# KiCad board H.A.V.O.C. PCB V 1.0.kicad_pcb (continued)
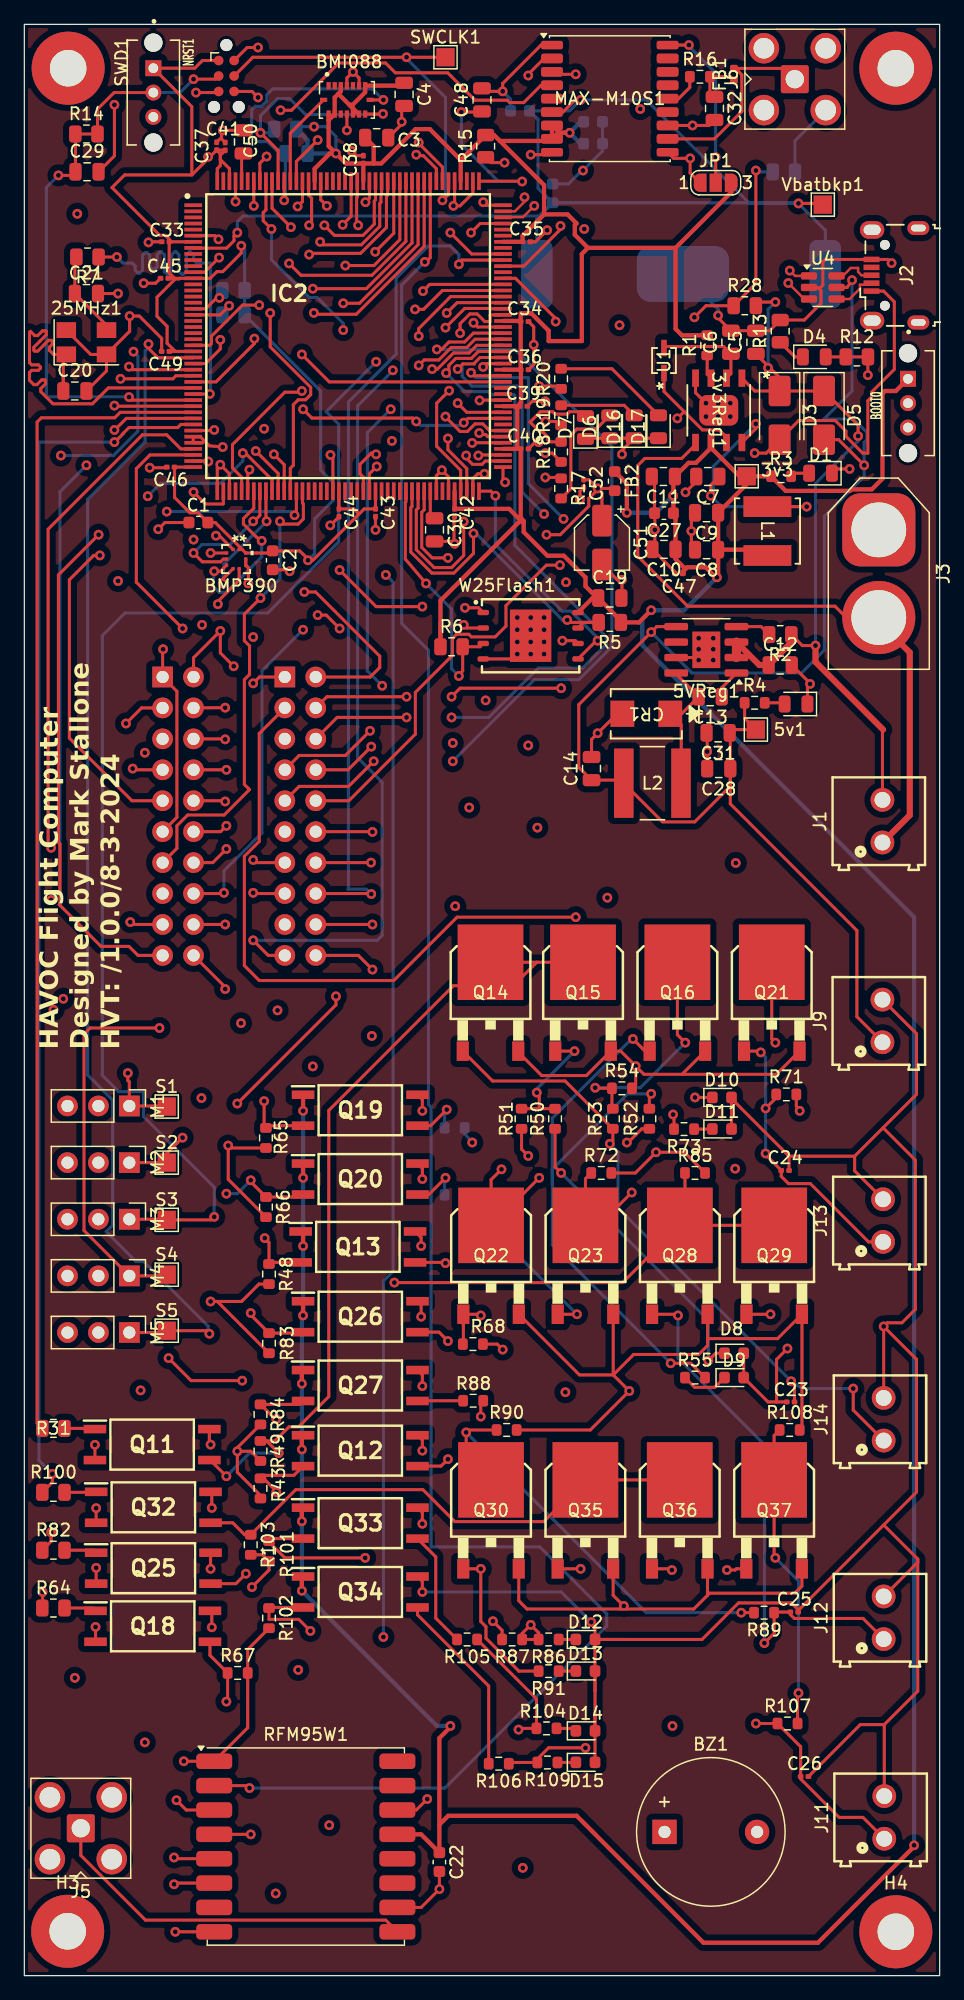
[diagram p0: board, top side]
## Routing (per net, layer and track width the routed paths; a pad name or vN(x,y) marks a point on that pad's centre or on a via; arc(x,y) is an arc through that point) (continued)
DROGUE_CONT: length 115.1
  Top w0.25: v1(19.75,60.55) 20.1,60.2 R48.1 20.23,58.56 Q13.2 ; 26.1,140.4 v1(26.38,140.4) 28.72,140.4 30.85,142.53 IC2.146
  In6.Cu w0.25: v1(19.75,60.55) 20.2,61 20.2,70.27 11.95,78.52 9.88,78.52 5.75,82.65 5.75,107.6 14.1,115.95 15.22,115.95 15.3,116.02 15.62,116.02 18.27,118.67 22,118.67 22.92,119.6 22.92,124.57 21.79,125.71 21.79,135.56 24.42,138.2 24.42,138.45 v1(26.38,140.4)
DROGUE_SIGNAL: length 96
  Top w0.25: R31.1 1.05,45.35 1.05,127.55 1.4,127.9 7.43,127.9 7.88,128.35 IC2.35
FLASH_!HOLD: length 28.4
  Top w0.25: 45.95,111.1 R5.2 45.95,111.1 ; 45.95,111.1 44.8,111.1 v1(44.6,111.3) ; 45.95,111.1 W25Flash1.7 ; v1(36.9,118.4) 36.9,116.76 35.29,115.15 33.48,115.15 31.75,116.88 31.75,120.52 31.85,120.62 IC2.77
  Bottom w0.25: v1(44.6,111.3) 44.2,111.3 37.1,118.4 v1(36.9,118.4)
FLASH_!WP: length 21.5
  Top w0.25: v1(35.7,106.7) 35.7,106.8 36.01,107.11 R6.2 37.43,109.1 W25Flash1.3 ; IC2.76 31.35,121 31.3,120.95 31.3,116.3 v1(33,114.3) 33.1,114.5
  Bottom w0.25: v1(33,114.3) 35.1,112.2 35.1,107.3 v1(35.7,106.7)
GP_GPIO6: length 82.2
  Top w0.25: J7.20 16.5,81.16 v1(16.5,81) ; IC2.49 17.85,123.02 17.1,123.77 17.1,125.7 21.4,130 22.7,130 v1(22.8,130.1)
  In6.Cu w0.25: v1(22.8,130.1) 23.62,129.27 23.62,128.3 23.45,128.12 23.45,118.25 18.77,113.57 13.17,113.57 7.3,107.7 7.3,84.41 10.71,81 v1(16.5,81)
GP_GPIO7: length 44.7
  Top w0.25: J7.10 16.44,96.46 v1(16.5,96.4) ; 18.09,125.21 18.09,125.14 v1(17.95,125) 18.16,125 20.35,122.81 IC2.54
  In2.Cu w0.25: v1(14.6,110.9) 15.38,110.12 15.38,97.52 v1(16.5,96.4)
  In5.Cu w0.25: v1(14.6,110.9) 14.3,110.9 10.2,115 10.2,121.4 v1(10.14,121.46)
  Bottom w0.25: v1(10.14,121.46) 11.2,122.52 16.12,122.52 17.95,124.35 v1(17.95,125)
GP_GPIO8: length 57.9
  Top w0.25: v1(6.2,116.6) 5.7,116.6 3.7,114.6 3.7,101.6 8.84,96.46 J7.9 ; IC2.55 20.85,123.33 v1(19.01,125.17) 19.13,125.17
  In2.Cu w0.25: v1(13.9,117.9) 7.5,117.9 v1(6.2,116.6)
  In3.Cu w0.25: v1(19.01,125.17) 23,121.18 23,116.92 17.12,116.92 16.56,117.49 15.44,117.49 15.04,117.9 v1(13.9,117.9)
GP_GPIO9: length 44.7
  Top w0.25: IC2.56 21.35,124.05 v1(20.5,124.9) ; J7.8 v1(16.6,99)
  In3.Cu w0.25: v1(20.5,124.9) 19.5,125.9 17.82,125.9 17.22,125.3 17.22,123.22 10.67,116.67 10.67,108.6 11.1,108.17 11.7,108.17 11.98,108.45 15.4,108.45 15.4,99.7 16.1,99 v1(16.6,99)
GP_GPIO10: length 76.9
  Top w0.25: v1(8.9,99.1) 9,99 J7.7 ; IC2.57 21.85,123.75 22.1,124 22.1,128.98 22.5,129.38 23.1,129.38 23.52,129.8 23.52,130.4 20.2,133.73 v1(20.2,136.5)
  In5.Cu w0.25: v1(20.2,136.5) 20.2,138.15 18,140.35 16.27,140.35 15.76,139.83 14.28,139.83 9.47,135.02 9.2,135.02 2.27,128.1 2.27,105.72 v1(8.9,99.1)
GP_GPIO18: length 47.7
  Top w0.25: J10.1 19.32,106.62 v1(18.8,106.1) ; v1(36.1,127.5) 36.45,127.85 IC2.97 ; v1(22.9,128.6) 23.62,127.88 31.92,127.88 v1(32.2,127.6)
  In2.Cu w0.25: v1(22.9,128.6) 22.9,125.83 18.07,121 18.07,117.57 22.27,113.38 v1(18.8,109.9)
  In6.Cu w0.25: v1(18.8,106.1) v1(18.8,109.9)
  Bottom w0.25: v1(32.2,127.6) 32.52,127.27 35.88,127.27 v1(36.1,127.5)
GP_GPIO19: length 82.3
  Top w0.25: v1(23,113.6) 23.93,113.6 29.2,108.33 29.2,107.4 28.42,106.62 J10.2 ; v1(35.6,129.1) 36.35,128.35 IC2.98
  In3.Cu w0.25: v1(23,113.6) 24.02,114.62 24.02,116.5 23.95,116.58 23.95,135.32 23.06,136.21 23.06,136.81 25.47,139.23 25.47,140.7 28.6,143.82 37,143.82 37.42,143.4 37.42,140.46 33.46,136.5 32.82,136.5 29.81,133.49 34.2,129.1 v1(35.6,129.1)
GP_GPIO20: length 107.2
  Top w0.25: v1(45.3,86.9) 35.55,86.9 30.35,81.7 19.3,81.7 18.07,82.92 18.07,91.9 19.3,93.13 19.3,101.98 J10.3 ; IC2.104 36.95,131.35 v1(36.7,131.6)
  In2.Cu w0.25: v1(44.3,119.6) 46.3,117.6 46.3,87.9 v1(45.3,86.9) 45.5,86.9 45.4,87
  Bottom w0.25: v1(36.7,131.6) 37.1,131.2 41.4,131.2 41.4,122.5 v1(44.3,119.6) 44.25,119.65
GP_GPIO21: length 59
  Top w0.25: v1(35.1,105) 35.8,105.7 v1(44.1,105.7) ; IC2.107 37.44,132.85 36.96,132.38 36.96,132.32 36.02,132.32 v1(35.6,131.9) ; J10.4 24.86,105 v1(31.4,105)
  In5.Cu w0.25: v1(44.1,105.7) 45.32,106.92 45.32,117.38 v1(42.7,120)
  In6.Cu w0.25: v1(35.1,105) v1(31.4,105)
  Bottom w0.25: v1(42.7,120) 40.9,121.8 40.9,130.5 36.77,130.5 35.97,131.3 35.97,132.27 36.02,132.32 v1(35.6,131.9)
GP_GPIO22: length 62.7
  Top w0.25: J10.6 25.7,103.3 v1(31.4,103.3) ; IC2.108 37.3,133.35 36.73,132.77 35.45,132.77 34.88,132.2 34.88,131.8 v1(34.65,131.57)
  In6.Cu w0.25: v1(35.1,103.3) v1(31.4,103.3)
  Bottom w0.25: v1(34.65,131.57) 36.18,130.05 38.15,130.05 38.4,129.8 40.2,129.8 40.3,129.7 40.3,117.43 47.82,109.9 47.82,109.3 45.88,107.35 42.21,107.35 38.16,103.3 v1(35.1,103.3)
GP_GPIO23: length 67
  Top w0.25: J10.7 22.57,100.17 26.38,100.17 v1(28.4,102.2) ; v1(33.5,131.9) 33.94,131.9 35.26,133.22 36.54,133.22 37.17,133.85 IC2.109
  In2.Cu w0.25: v1(37.9,104.7) 44.13,104.7 44.92,105.5 44.92,109.9 43.88,110.95 43.88,113.77 v1(44.5,114.4)
  In6.Cu w0.25: v1(37.9,104.7) 35.4,102.2 v1(28.4,102.2) ; 44.7,114.3 v1(44.5,114.4) 45.03,114.92 45.03,119.9 44,120.93 44,122.83 43.1,123.72 43.05,123.72 38.55,128.22 35.45,128.22 33.5,130.17 v1(33.5,131.9)
GP_GPIO24: length 54.2
  Top w0.25: J10.8 26.6,99 v1(28.5,100.9) ; v1(32.4,132.2) 32.85,132.65 34.05,132.65 35.08,133.68 36.36,133.68 37.03,134.35 IC2.110
  In2.Cu w0.25: v1(35.2,101.2) 34.17,102.22 34.17,114.79 33.5,115.46 33.5,117.16 35.31,118.97 35.31,121.56 35.57,121.82 35.57,126.6 34.9,127.27 34.3,127.27 32.7,128.87 32.7,130.3 32.4,130.6 v1(32.4,132.2)
  In6.Cu w0.25: v1(35.2,101.2) 28.8,101.2 v1(28.5,100.9)
GP_GPIO25: length 72.2
  Top w0.25: J10.9 22.57,97.63 26.63,97.63 v1(28.7,99.7) ; IC2.111 36.89,134.85 36.17,134.12 34.89,134.12 34.28,133.51 v1(33.89,133.51)
  In6.Cu w0.25: v1(35.2,99.7) v1(28.7,99.7)
  Bottom w0.25: v1(35.2,99.7) 41.9,106.4 43.77,106.4 43.8,106.42 44.4,106.42 44.43,106.4 45.56,106.4 48.28,109.11 48.28,125.55 40.33,133.5 33.9,133.5 v1(33.89,133.51)
GP_GPIO26: length 66.3
  Top w0.25: IC2.114 38.3,136.35 38.28,136.32 38.28,135.8 37.83,135.8 37.2,136.43 36.6,136.43 35.8,135.63 v1(35.8,134.85) 35.8,135.2 ; v1(44,115.8) 42.89,115.8 39.57,112.48 39.57,110.8 38.69,109.91 36.73,109.91 36.52,110.12 35.5,110.12 35.17,109.8 35.17,108.4 32.12,105.35 32.12,101.92 26.66,96.46 J10.10
  In6.Cu w0.25: v1(44,115.8) 43.78,115.57 43.78,114.1 44.2,113.67 44.8,113.67 45.47,114.35 45.47,120.09 44.7,120.86 44.7,124.6 42.1,127.2 42.1,128.55 v1(35.8,134.85)
GP_GPIO27: length 85.8
  Top w0.25: IC2.115 38.35,136.85 38.32,136.88 36.17,136.88 v1(34.6,135.3) ; v1(28.6,82.6) 27.44,83.76 J10.20
  In2.Cu w0.25: v1(34.6,135.3) 35.07,134.82 35.07,134.55 35.5,134.12 36.1,134.12 36.13,134.15 39.68,134.15 43.72,130.1 43.72,122.82 41.7,120.8 41.7,118.25 43.42,116.52 44.3,116.52 45.4,115.43 45.4,88.3 44.9,87.8 v1(35.4,87.8)
  In6.Cu w0.25: v1(35.4,87.8) 30.2,82.6 v1(28.6,82.6)
GP_GPIO28: length 75.1
  Top w0.25: 18.9,84.9 v1(18.8,85) 20.04,83.76 J10.19 ; IC2.116 35.55,137.35 v1(34.7,136.5)
  In6.Cu w0.25: v1(30.27,131.8) 30.63,131.8 33.12,134.3 33.12,136.38 33.1,136.4 34.6,136.4 v1(34.7,136.5)
  Bottom w0.25: v1(18.8,85) 29,85 29.4,85.4 29.4,97.97 27.38,99.99 27.38,128.88 30.27,131.77 v1(30.27,131.8) 30.3,131.8
GP_GPIO29: length 66.3
  Top w0.25: J10.18 v1(28.6,86.3) 28.7,86.3 ; IC2.117 35.02,137.85 32.4,135.23 v1(32.4,134.6)
  In6.Cu w0.25: v1(28.6,86.3) 26.62,88.27 26.62,131.25 29.97,134.6 v1(32.4,134.6)
GP_GPIO30: length 75.6
  Top w0.25: v1(32.1,136.8) 32.8,136.8 34.35,138.35 IC2.118
  In3.Cu w0.25: J10.17 22.6,85.1 31.1,85.1 31.5,84.7 33.3,86.5 33.3,105 27.67,110.62 27.67,132.38 v1(32.1,136.8)
GP_GPIO31: length 69.9
  Top w0.25: 35.7,140.6 35.95,140.85 IC2.123 ; 35.7,140.6 35.6,140.5 v1(35.7,140.5) 35.7,140.6 ; J10.16 28.46,88.84 v1(28.5,88.8)
  Bottom w0.25: v1(28.5,88.8) 28.1,89.2 26.6,89.2 26.62,89.22 26.62,129.2 30.55,133.12 30.55,139.38 33.17,142 35,142 35.7,141.3 v1(35.7,140.5)
GP_GPIO32: length 133.2
  Top w0.25: J10.15 18.86,88.84 v1(18.8,88.9) ; IC2.124 36.75,141.35 v1(35,143.1)
  In2.Cu w0.25: v1(46,143.4) 54.13,143.4 63.3,134.23 63.3,88.8 63,88.5 v1(47.9,88.5)
  In5.Cu w0.25: v1(35,143.1) 35.72,142.38 44.97,142.38 v1(46,143.4)
  In6.Cu w0.25: v1(18.8,88.9) 20.03,87.66 26.21,87.66 28.3,85.57 28.9,85.57 31.85,88.52 v1(47.9,88.5) 47.88,88.52
GP_GPIO33: length 66.6
  Top w0.25: IC2.129 37.45,143.85 v1(36.7,143.1) ; J10.14 v1(28.48,91.38)
  In3.Cu w0.25: v1(28.48,91.38) 26.72,91.38 26.3,91.8 27.22,92.72 27.22,132.95 31.8,137.52 33.85,137.52 36.7,140.37 v1(36.7,143.1)
GP_GPIO34: length 124.9
  Top w0.25: J10.13 19.02,91.38 v1(18.8,91.6) ; 23.4,143.8 23.3,143.7 v1(23.4,143.7) 23.4,143.8 ; 23.4,143.8 23.6,144 23.6,145.93 23.35,146.18 IC2.161
  In3.Cu w0.25: v1(23.4,143.7) 23.55,143.85 23.55,146.25 21.2,148.6 10.8,148.6 10.92,148.47 10.92,128.4 3.2,120.67 3.2,81.22 2.47,80.5 2.47,79.9 2.74,79.64 v1(2.4,79.3)
  In5.Cu w0.25: v1(18.8,91.6) 18.07,90.88 18.07,79.82 18.5,79.4 18.2,79.4 ; 18.1,79.3 v1(2.4,79.3)
GP_GPIO35: length 65.4
  Top w0.25: J10.12 28.58,93.92 v1(28.6,93.9) ; v1(20.3,143.4) 19.62,144.07 19.62,144.75 19.85,144.98 IC2.168
  In5.Cu w0.25: v1(30.1,128.6) 26.2,132.5 v1(26.2,135.1)
  In6.Cu w0.25: v1(28.6,93.9) 27.67,94.82 27.67,104.07 29.4,105.8 v1(29.4,105.9) 29.5,105.9
  Bottom w0.25: v1(30.1,128.6) 28.17,126.67 28.17,107.12 v1(29.4,105.9) ; v1(20.3,143.4) 20.3,140.87 23.4,137.77 24.07,137.77 26.2,135.65 v1(26.2,135.1)
GP_GPIO36: length 30.1
  Top w0.25: v1(39.45,148.85) 38.34,148.85 R15.1 ; v1(18.85,145.3) IC2.170 ; MAX-M10S1.9 43.15,149.5 v1(41.6,149.5)
  GND w0.25: v1(18.85,145.3) 19,145.3 ; 39.5,148.9 v1(39.45,148.85) 39.38,148.77
  In5.Cu w0.25: 19,145.3 22.47,148.77 39.38,148.77 ; 39.5,148.9 41,148.9 v1(41.6,149.5)
GPS_TIMEPULSE: length 32.7
  Top w0.25: 43.15,155.4 MAX-M10S1.4 42.45,155.2 41.03,153.78 39.88,153.78 39.67,153.97 37.03,153.97 34.78,156.22 30.48,156.22 29.68,157.03 25.82,157.03 21.95,153.15 v1(21.05,153.15) ; IC2.169 19.35,148.8 v1(19.9,149.35)
  In2.Cu w0.25: v1(21.05,153.15) 21.05,150.5 v1(19.9,149.35)
HSE_IN: length 34.1
  Top w0.25: 3.2,131.5 C20.1 3.2,131.5 ; 3.2,131.5 3.2,132.85 25MHz1.1 2.4,133.1 2.06,133.44 2.06,133.7 2.3,133.94 2.3,134.2 2.24,134.26 1.98,134.26 1.74,134.01 1.61,133.89 1.1,133.37 0.84,133.37 0.78,133.44 0.78,133.69 1.29,134.21 1.81,134.72 1.81,134.97 1.74,135.04 1.49,135.04 1.1,134.65 0.85,134.65 0.5,135 0.42,134.93 0.42,132.43 0.6,132.25 1.15,132.25 1.33,132.06 1.33,131.97 1.15,131.79 0.6,131.79 0.42,131.62 0.42,130.97 0.78,130.62 1.03,130.62 1.42,131.01 1.67,131.01 1.74,130.94 1.74,130.69 1.35,130.3 1.35,130.05 2.35,129.05 5.6,129.05 6.9,130.35 IC2.31
HSE_OUT: length 32.8
  Top w0.25: 7.5,141.1 v1(7.6,141.1) 7.5,141.1 ; 7.5,141.1 R7.1 ; v1(15.24,129.86) 15.2,129.82 14.92,129.82 14.9,129.85 IC2.32
  Bottom w0.25: v1(7.6,141.1) 8.1,140.6 8.86,140.6 9.1,140.36 9.1,140.02 9.34,139.78 9.46,139.78 9.7,140.02 9.7,141.23 9.94,141.47 10.06,141.47 10.3,141.23 10.3,140.32 10.54,140.08 10.66,140.08 10.91,140.32 10.91,141.28 11.14,141.52 11.27,141.52 11.5,141.28 11.5,139.92 11.74,139.68 11.86,139.68 12.1,139.92 12.1,141.28 12.34,141.52 12.46,141.52 12.7,141.28 12.7,139.92 12.94,139.68 13.06,139.68 13.3,139.92 13.3,141.28 13.54,141.52 13.66,141.52 13.91,141.28 13.91,140.84 14.14,140.6 15.3,140.6 15.3,129.93 v1(15.24,129.86)
I2C1_SCL: length 24.4
  Top w0.25: v1(29.5,154) BMI088.8 ; v1(21.35,145.75) IC2.165
  Bottom w0.25: v1(21.35,145.75) 21.44,145.84 R9.2 20.95,149.6 19.97,150.57 19.1,150.57 18.67,151 18.67,153.17 18.97,153.47 19.5,153.47 19.92,153.9 19.92,154.42 20.4,154.9 28.6,154.9 v1(29.5,154) 29.4,154
I2C1_SDA: length 19.9
  Top w0.25: IC2.166 20.85,149.85 v1(19.4,151.3) ; v1(29.47,152.85) 29.45,152.83 BMI088.9
  Bottom w0.25: 20.52,151.6 20.22,151.3 v1(19.4,151.3) 19.4,152.7 20.8,154.1 21.8,154.1 23.1,152.8 29.41,152.8 v1(29.47,152.85)
I2C2_CS: length 39
  Top w0.25: v1(19.4,113.1) 18.07,111.77 18.07,109.6 18.5,109.17 18.5,106.82 18.07,106.4 18.07,97.8 18.5,97.37 16.41,95.28 13.41,95.28 12.53,94.41 12.53,92.55 J7.13 ; IC2.59 22.85,120.9 22.92,120.82 22.92,119.6 22.5,119.17 21.22,119.17 v1(21,119.4)
  Bottom w0.25: v1(21,119.4) 21,114.7 v1(19.4,113.1)
I2C2_SCL: length 50.2
  Top w0.25: v1(16.82,137.09) 16.08,136.35 IC2.19 ; J7.3 9.63,104.08 v1(8.35,102.8)
  GND w0.25: 16.82,137.09 v1(16.82,137.09)
  In5.Cu w0.25: 16.82,137.09 16.82,134 3.3,120.47 3.3,107.1 7.6,102.8 v1(8.35,102.8)
  Bottom w0.25: v1(16.82,137.09) 16.79,137.09 16.27,136.57 R10.2
I2C2_SDA: length 52.9
  Top w0.25: v1(16.02,137.75) 15.8,137.75 14.9,136.85 IC2.18 ; J7.4 v1(16.5,104.1) 16.48,104.08
  In5.Cu w0.25: v1(16.5,104.1) 15.32,105.27 15.32,109.45 14.9,109.88 11.3,109.88 5.15,116.02 5.15,120.85 17.6,133.3 17.6,137.34 17.12,137.82 16.09,137.82 v1(16.02,137.75)
  Bottom w0.25: v1(16.02,137.75) 16.02,138.1 R11.2
INT_ACC: length 7.8
  Top w0.25: IC2.164 21.85,151.26 BMI088.16
INT_GYR: length 8.2
  Top w0.25: v1(24.1,150.7) 22.35,148.95 IC2.163 ; v1(26.5,151.5) BMI088.12
  In5.Cu w0.25: v1(26.5,151.5) 25.7,150.7 v1(24.1,150.7)
LED1: length 6.1
  Top w0.25: v1(42.8,123) 44.03,123 R17.1 ; IC2.89 39.32,122.77 v1(39.5,122.6)
  In3.Cu w0.25: v1(42.8,123) 42.4,122.6 v1(39.5,122.6)
LED2: length 12.4
  Top w0.25: v1(36.3,124.8) 36.3,124.6 36.82,124.07 37.6,124.07 37.88,124.35 IC2.90 ; v1(42.8,125) 43.38,125 R18.1
  In3.Cu w0.25: v1(42.8,125) 41.88,124.07 37,124.07 36.3,124.77 v1(36.3,124.8)
LED3: length 10.4
  Top w0.25: v1(42.82,127.6) 43.78,127.6 R19.1 ; 37.5,124.9 v1(37.3,124.8) 37.55,124.85 IC2.91
  In2.Cu w0.25: v1(37.3,124.8) 39.4,124.8 42.2,127.6 v1(42.82,127.6) ; 43,127.3 43,127.4
LED4: length 11.1
  Top w0.25: R20.1 43.88,130.5 v1(42.3,130.5) ; IC2.94 38.07,126.35 37.9,126.52 37.49,126.52 v1(37.37,126.65)
  In2.Cu w0.25: v1(37.37,126.65) 39.35,126.65 41.6,128.9 41.6,129.8 v1(42.3,130.5) 42.3,130.4
MAIN_CONT: length 115
  Top w0.25: Q20.2 22.69,63.92 R66.1 18.6,65.17 v1(18.6,65.3) ; IC2.148 29.85,146.19 29.75,146.09 29.75,143.53 27.62,141.4 23.5,141.4 v1(23.4,141.3)
  In2.Cu w0.25: v1(16.6,64.2) 16.6,66.23 10.25,72.58 10.25,80.81 7.1,83.96 7.1,111.3 7.67,111.88 16.2,111.88 17.22,112.9 17.22,134.93 17.5,135.2 17.5,135.6 17.87,135.97 17.87,138.9 17.38,139.4 17.38,140.8 17.87,141.3 v1(23.4,141.3)
  Bottom w0.25: v1(16.6,64.2) 17.5,64.2 v1(18.6,65.3)
MAIN_SIGNAL: length 111.3
  Top w0.25: R64.1 1.5,30.2 v1(1.5,31.5) ; 7.5,128.8 v1(7.4,128.9) 7.5,128.9 7.55,128.85 IC2.34
  In2.Cu w0.25: v1(1.5,31.5) 1.42,31.57 1.42,128.82 1.5,128.9 v1(7.4,128.9)
NRST: length 50.5
  Top w0.25: 8.7,129.5 8.85,129.35 IC2.33 ; 8.7,129.5 v1(8.6,129.6) 8.7,129.5 ; SWD1.3 15.7,155.7 v1(13.9,155.7) ; NRST1.2 7.37,154.6 6.01,153.24 R14.2 R14.1 4.2,151.19 C29.1 3.9,147.8 v1(2.8,147.8)
  Bottom w0.25: NRST1.2 12.8,154.6 v1(13.9,155.7) ; v1(8.6,129.6) 8.57,129.62 1.82,129.62 1.8,129.6 1.8,146.8 v1(2.8,147.8)
PYRO5V: length 288.3
  Top w0.25: Q12.4 32.7,43.97 v1(32.7,43.1) ; Q33.4 32.7,38.02 v1(32.7,37.1) ; Q13.4 32.6,60.6 v1(32.6,59.9) ; 70.6,37 73.4,34.2 ; 70.6,37 63.57,29.97 C25.2 63.57,30.04 63.02,30.6 58.67,30.6 55.67,27.6 49.29,27.6 ; 70.6,37 73.3,39.7 73.3,50.6 v1(70.6,53.3) ; 73.4,34.2 73.4,33.93 J12.2 ; 73.4,34.2 73.4,23.36 70.65,20.61 ; 62.82,67.27 C24.2 ; 62.82,67.27 68.22,67.27 ; 62.82,67.27 58.1,72 D10.2 D11.2 ; 70.55,69.61 73.2,66.96 73.2,54.7 72.1,53.6 70.9,53.6 v1(70.6,53.3) ; 70.55,69.61 68.22,67.27 ; 70.55,69.61 73.3,72.36 73.3,77.33 J9.2 ; D12.2 46.89,23.4 ; D12.2 49.29,27.6 ; D12.2 49.29,27.6 ; D12.2 46.89,28.72 v1(46.58,29.03) ; 46.89,23.4 D13.2 ; 46.89,23.4 46.89,21.3 ; v1(15.3,33.4) Q25.4 ; C23.2 61.8,47.1 ; 61.8,47.1 61.8,50.59 v1(62.69,51.49) ; 61.8,47.1 61.1,47.1 D9.2 D8.2 ; C26.2 68.68,20.61 70.65,20.61 ; 70.65,20.61 J11.2 ; 46.89,21.3 46.89,17.86 ; 46.89,21.3 D14.2 ; 46.89,17.86 D15.2 46.89,17.86 46.89,17.86 ; Q27.4 32.7,49.32 v1(32.7,48.4) ; v1(15.4,38.4) 15.4,39.62 Q32.4 ; Q19.4 32.7,71.92 v1(32.7,71) ; Q34.4 32.7,32.37 v1(32.7,31.5) ; v1(15.4,28.6) 15.4,29.8 Q18.4 ; 68.22,67.27 68.22,66.07 J13.2 ; Q11.4 15.2,43.7 v1(15.3,43.6) ; Q20.4 32.7,66.27 v1(32.7,65.4) ; v1(70.6,53.3) J14.2 ; v1(32.6,54.1) 32.6,55.07 Q26.4
  In2.Cu w0.25: v1(70.6,53.3) 68.79,51.49 v1(62.69,51.49) ; v1(15.4,28.6) 16.42,27.57 26.38,27.57 30.3,31.5 v1(32.7,31.5)
  In3.Cu w0.25: v1(32.7,71) v1(32.7,65.4) 32.6,65.3 v1(32.6,59.9) v1(32.6,54.1) 32.7,54 v1(32.7,48.4) v1(32.7,43.1) v1(32.7,37.1) v1(32.7,31.5) ; v1(15.4,28.6) 15.3,28.7 v1(15.3,33.4) 15.4,33.5 v1(15.4,38.4) 15.3,38.5 v1(15.3,43.6)
  Bottom w0.25: v1(32.7,31.5) 44.1,31.5 v1(46.58,29.03)
PYRO_AUX1_FIRED: length 108.7
  Top w0.25: v1(18.6,54.4) 18.6,54.25 R83.1 22.82,52.75 Q26.2 ; v1(24.1,111.7) 24.8,111.7 v1(25.9,110.6) ; v1(25.6,80.4) 25.6,79.7 v1(17.5,71.6) ; IC2.149 29.35,146.32 29.3,146.27 29.3,145.6 29.2,145.5 29.2,143.61 27.68,142.1 24.55,142.1 v1(24.3,142.35)
  In2.Cu w0.25: v1(24.1,111.7) 24.47,112.07 24.47,116.69 24.15,117.01 24.15,135.85 24.51,136.21 24.51,141.51 24.3,141.73 v1(24.3,142.35) ; 25.6,80.5 25.5,80.4 v1(25.6,80.4) 25.6,80.5 ; 25.6,80.5 26.4,81.3 26.4,86.38 26.3,86.48 26.3,110.2 v1(25.9,110.6) ; v1(17.5,71.6) 17.5,55.5 v1(18.6,54.4)
PYRO_AUX2_FIRED: length 128.5
  Top w0.25: Q33.2 20.48,35.88 20.27,35.67 R101.1 20.1,35.6 21.4,34.3 v1(28,34.3) ; v1(27.42,143.7) 27.3,143.82 27.3,145.98 27.35,146.03 IC2.153
  In2.Cu w0.25: v1(27.42,143.7) 28.1,143.02 28.1,115.3 32.5,110.9 32.5,78.2 28,73.7 v1(28,34.3)
PYRO_DROGUE_FIRED: length 140.7
  Top w0.25: v1(21.75,140.57) 22.72,139.6 28.56,139.6 31.35,142.39 IC2.145 ; 19.65,41.07 R43.1 ; 19.65,41.07 19.4,41.07 20.7,39.78 v1(20.7,39.7) ; 19.65,41.07 22.14,41.07 Q12.2 ; v1(11.85,50.7) 13.7,48.85 v1(17.9,48.85)
  In6.Cu w0.25: v1(17.9,48.85) 17.9,44.65 20.7,41.85 v1(20.7,39.7) ; v1(21.75,140.57) 20.77,139.6 19,139.6 19,138.22 12.42,131.65 12.42,115.6 4.05,107.22 4.05,81.3 11.82,73.52 11.82,50.72
PYRO_MAIN_FIRED: length 86.3
  Top w0.25: IC2.147 30.35,143.05 v1(28.82,141.53) 28.82,141.72 ; Q19.2 20.08,69.78 19.9,69.6 R65.1 19.7,69.75 v1(19.7,71.8)
  In3.Cu w0.25: 19.7,71.9 19.7,91.73 19.3,92.13 19.3,105.57 19.52,105.8 19.52,108.49 24.47,113.44 24.47,116.69 24.4,116.76 24.4,136.1 24.51,136.21 24.51,136.81 24.31,137.01 v1(28.82,141.53) ; 19.7,71.9 v1(19.7,71.8) 19.6,71.8 19.7,71.9
SERVO1: length 68.4
  Top w0.25: v1(15.11,124.31) 15.07,124.35 IC2.43 ; S1.1 11.65,71.4 M1.1 8.62,73.38 8.5,73.5 v1(8.5,74.1)
  In2.Cu w0.25: v1(15.11,124.31) 15.11,124.04 12.42,121.35 12.42,119.82 12.07,119.47 11.4,119.47 10.77,120.1 5.65,120.1 4.05,118.5 4.05,78.55 v1(8.5,74.1)
SERVO2: length 120.3
  Top w0.25: v1(13,68.8) 11.7,67.5 S2.1 M2.1 ; IC2.122 41.03,140.35 44.05,143.37 v1(44.05,143.65)
  In2.Cu w0.25: v1(7.7,114.5) 8.18,114.02 6.2,112.03 6.2,84.23 9.8,80.63 9.8,72 v1(13,68.8) 12.8,69